# KiCad board magnum-drum-synth.kicad_pcb (continued)
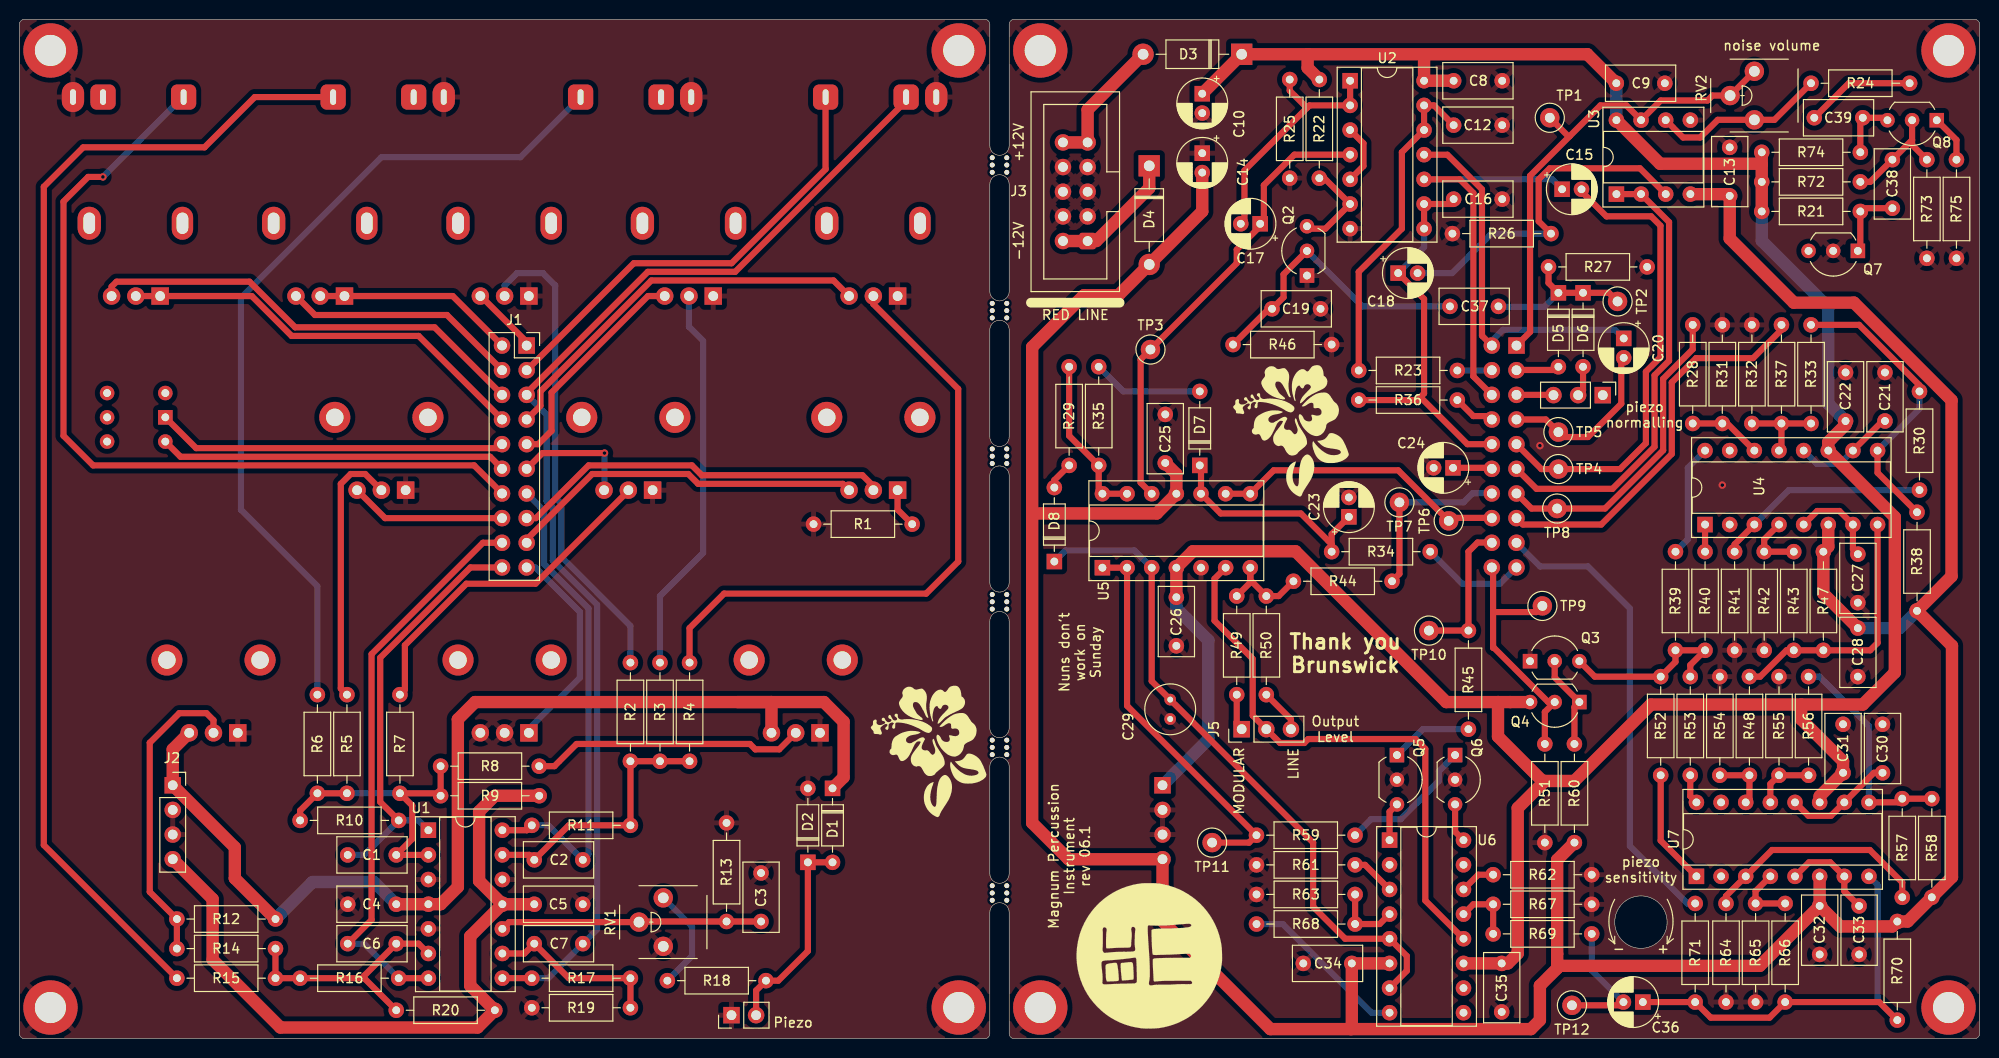
[diagram p0: board, top side]
## Library data of the parts
C1 C2 C6 C7 C12 C16 C19 C37-C39 = -: Description: Unpolarized capacitor; Spec: ceramic C0G; Tolerance: 5%
C3-C5 C8 C9 C13 C22 C25 C26 C28 C31 C32 C34 C35 = -: Description: Unpolarized capacitor; Spec: ceramic X7R; Tolerance: 5%
C10 C14 C15 C17 C18 C20 C23 C24 C36 = -: Description: Polarized capacitor; Spec: electrolytic; Tolerance: 20%; Voltage: 50v
C21 C27 C30 C33 = -: Description: Unpolarized capacitor; Spec: film polypropylene; Tolerance: 5%
C29 = -: Description: Unpolarized capacitor; Spec: electrolytic non polarised; Tolerance: 20%; Voltage: 50v
D1-D8 = -: Description: Diode; Sim.Device: D; Sim.Pins: 1=K 2=A
H1 H2 H9 H10 H13-H16 = -: Description: Mounting Hole with connection
J1 J7 = -: Description: Generic connector, double row, 02x10, odd/even pin numbering scheme (row 1 odd numbers, row 2 even numbers), script generated (kicad-library-utils/schlib/autogen/connector/)
J2 = -: Description: Generic connector, single row, 01x04, script generated; Name: Power Header Ctrl
J4 = -: Description: Generic connector, single row, 01x03, script generated; Name: Piezo Normal
J5 = -: Description: Generic connector, single row, 01x03, script generated; Name: Output Level Select
J6 = -: Description: Generic connector, single row, 01x04, script generated; Name: Power Header Main
J8 = -: Description: Eurorack vertical jack, 2 Poles (Mono / TS), Switched T Pole (Normalling); Name: Trig In; mpn: WQP-WQP518MA
J9 = -: Description: Eurorack vertical jack, 2 Poles (Mono / TS), Switched T Pole (Normalling); Name: Freq CV; mpn: WQP-WQP518MA
J10 = -: Description: Eurorack vertical jack, 2 Poles (Mono / TS), Switched T Pole (Normalling); Name: Decay CV; mpn: WQP-WQP518MA
J11 = -: Description: Eurorack vertical jack, 2 Poles (Mono / TS), Switched T Pole (Normalling); Name: Audio Out; mpn: WQP-WQP518MA
MK1 = -: Spec: 27mm
Q2 Q4 Q7 Q8 = -: Description: 0.2A Ic, 40V Vce, Small Signal NPN Transistor, TO-92
Q3 Q5 Q6 = -: Description: -0.2A Ic, -40V Vce, Small Signal PNP Transistor, TO-92
R1-R71 = -: Description: Resistor; Tolerance: 1%
R72-R75 = -: Description: Resistor; Power: 0.5W; Spec: metal film; Tolerance: 1%
RV1 = -: Description: Trim-potentiometer; Name: Piezo Sensitivity; Spec: single turn
RV2 = -: Description: Trim-potentiometer; Spec: single turn
RV3 = -: Description: Potentiometer; Name: OSC1 Level
RV4 = -: Description: Potentiometer; Name: OSC2 Level
RV5 = -: Description: Potentiometer; Name: Noise Level
RV6 = -: Description: Potentiometer; Name: OSC1 Freq
RV7 = -: Description: Potentiometer; Name: OSC2 Freq
RV8 = -: Description: Potentiometer; Name: Filter Res
RV9 = -: Description: Potentiometer; Name: Filter LFO Mod
RV10 = -: Description: Potentiometer; Name: Filter Env Mod
RV11 = -: Description: Potentiometer; Name: Filter Freq
RV12 = -: Description: Potentiometer; Name: Filter Env Decay
RV13 = -: Description: Potentiometer; Name: Amp Env Decay
SW1 = -: Description: Switch, dual pole double throw, separate symbols; Name: OSC2 LFO; PartNumber: MHPS2285
TP1-TP12 = -: Description: test point
U1 U5 = -: Description: Quad Low-Noise JFET-Input Operational Amplifiers, DIP-14/SOIC-14
U2 = -: Description: Quad 2-Input NAND Schmitt Trigger, SOIC-14
U3 = -: Description: Dual Low-Noise JFET-Input Operational Amplifiers, DIP-8/SOIC-8
U4 U6 U7 = -: Description: Dual Operational Transconductance Amplifiers with Linearizing Diodes and Buffers, DIP-16/SOIC-16

## Footprints (pads in the part's own frame, mm; a bottom-side part is the same pattern mirrored in y, then rotated)
C_Radial_D5.0mm_H5.0mm_P2.00mm
  round 1.2 hole 0.6: 1(0,0) 2(2,0)
C_Rect_L7.0mm_W3.5mm_P5.00mm
  round 1.6 hole 0.8: 1(0,0) 2(5,0)
CP_Radial_D5.0mm_P2.00mm
  rect 1.6x1.6 hole 0.8: 1(0,0)
  round 1.6 hole 0.8: 2(2,0)
D_DO-35_SOD27_P7.62mm_Horizontal
  rect 1.6x1.6 hole 0.8: 1(0,0)
  oval 1.6x1.6 hole 0.8: 2(7.62,0)
D_DO-41_SOD81_P10.16mm_Horizontal
  rect 2.2x2.2 hole 1.1: 1(0,0)
  oval 2.2x2.2 hole 1.1: 2(10.16,0)
DIP-8_W7.62mm_Socket
  rect 1.6x1.6 hole 0.8: 1(0,0)
  oval 1.6x1.6 hole 0.8: 2(0,-2.54) 3(0,-5.08) 4(0,-7.62) 5(7.62,-7.62) 6(7.62,-5.08) 7(7.62,-2.54) 8(7.62,0)
DIP-14_W7.62mm_Socket
  rect 1.6x1.6 hole 0.8: 1(0,0)
  oval 1.6x1.6 hole 0.8: 2(0,-2.54) 3(0,-5.08) 4(0,-7.62) 5(0,-10.16) 6(0,-12.7) 7(0,-15.24) 8(7.62,-15.24) 9(7.62,-12.7) 10(7.62,-10.16) 11(7.62,-7.62) 12(7.62,-5.08) 13(7.62,-2.54) 14(7.62,0)
DIP-16_W7.62mm_Socket
  rect 1.6x1.6 hole 0.8: 1(0,0)
  oval 1.6x1.6 hole 0.8: 2(0,-2.54) 3(0,-5.08) 4(0,-7.62) 5(0,-10.16) 6(0,-12.7) 7(0,-15.24) 8(0,-17.78) 9(7.62,-17.78) 10(7.62,-15.24) 11(7.62,-12.7) 12(7.62,-10.16) 13(7.62,-7.62) 14(7.62,-5.08) 15(7.62,-2.54) 16(7.62,0)
Eurorack_PowerHeader_2x05_P2.54mm_Shrouded
  rrect 1.7x1.7 hole 1: 1(0,0)
  round 1.7 hole 1: 2(2.54,0) 3(0,-2.54) 4(2.54,-2.54) 5(0,-5.08) 6(2.54,-5.08) 7(0,-7.62) 8(2.54,-7.62) 9(0,-10.16) 10(2.54,-10.16)
Jack_3.5mm_QingPu_WQP-PJ398SM_Vertical
  oval 3.1x2.3 hole 1.6x0.6: 1(0,-6.48)
  rrect 2.6x2.6 hole 1.6x0.6: 2(0,4.92) 3(0,-3.38)
MountingHole_3.2mm_M3_DIN965_Pad
  round 5.6 hole 3.2: 1(0,0)
mouse-bite-2mm-slot
  round 0.5 hole 0.5 unplated: (-0.75,0.75) (-0.75,-0.75) (0,0.75) (0,-0.75) (0.75,0.75) (0.75,-0.75)
PinHeader_1x02_P2.54mm_Vertical
  rect 1.7x1.7 hole 1: 1(0,0)
  oval 1.7x1.7 hole 1: 2(0,-2.54)
PinHeader_1x03_P2.54mm_Vertical
  rect 1.7x1.7 hole 1: 1(0,0)
  oval 1.7x1.7 hole 1: 2(0,-2.54) 3(0,-5.08)
PinHeader_1x04_P2.54mm_Vertical
  rect 1.7x1.7 hole 1: 1(0,0)
  oval 1.7x1.7 hole 1: 2(0,-2.54) 3(0,-5.08) 4(0,-7.62)
PinHeader_2x10_P2.54mm_Vertical
  rect 1.7x1.7 hole 1: 1(0,0)
  oval 1.7x1.7 hole 1: 2(2.54,0) 3(0,-2.54) 4(2.54,-2.54) 5(0,-5.08) 6(2.54,-5.08) 7(0,-7.62) 8(2.54,-7.62) 9(0,-10.16) 10(2.54,-10.16) 11(0,-12.7) 12(2.54,-12.7) 13(0,-15.24) 14(2.54,-15.24) 15(0,-17.78) 16(2.54,-17.78) 17(0,-20.32) 18(2.54,-20.32) 19(0,-22.86) 20(2.54,-22.86)
PinSocket_1x04_P2.54mm_Vertical
  rect 1.7x1.7 hole 1: 1(0,0)
  oval 1.7x1.7 hole 1: 2(0,-2.54) 3(0,-5.08) 4(0,-7.62)
PinSocket_2x10_P2.54mm_Vertical
  rect 1.7x1.7 hole 1: 1(0,0)
  oval 1.7x1.7 hole 1: 2(-2.54,0) 3(0,-2.54) 4(-2.54,-2.54) 5(0,-5.08) 6(-2.54,-5.08) 7(0,-7.62) 8(-2.54,-7.62) 9(0,-10.16) 10(-2.54,-10.16) 11(0,-12.7) 12(-2.54,-12.7) 13(0,-15.24) 14(-2.54,-15.24) 15(0,-17.78) 16(-2.54,-17.78) 17(0,-20.32) 18(-2.54,-20.32) 19(0,-22.86) 20(-2.54,-22.86)
Potentiometer_Alpha_RD901F-40-00D_Single_Vertical_CircularHoles
  round 3.2 hole 1.8: (-4.8,0) (4.8,0)
  rect 1.8x1.8 hole 1: 1(-2.5,-7.5)
  round 1.8 hole 1: 2(0,-7.5) 3(2.5,-7.5)
Potentiometer_Song_Huei_R0904N_Single_Vertical
  oval 2.2x3.4 hole 1.2x2.2: (-4.8,0)
  oval 2.4x3.4 hole 1.2x2.2: (4.8,0)
  rect 1.8x1.8 hole 1: 1(-2.5,-7.5)
  round 1.8 hole 1: 2(0,-7.5) 3(2.5,-7.5)
Potentiometer_THT_Bourns_3306P_Vertical
  round 2 hole 1.1: 1(-2.5,-1.25) 2(0,1.25) 3(2.5,-1.25)
R_Axial_DIN0207_L6.3mm_D2.5mm_P10.16mm_Horizontal
  round 1.6 hole 0.8: 1(0,0)
  oval 1.6x1.6 hole 0.8: 2(10.16,0)
SW_PUSH_2P2T_8mm_Apem_MHPS2285
  rect 1.5x1.5 hole 0.8: 1(-3,0)
  round 1.5 hole 0.8: 2(-3,-2.5) 3(-3,2.5) 4(3,-2.5) 5(3,2.5) 6(3,0)
TestPoint_Loop_D2.50mm_Drill1.0mm_LowProfile
  round 2 hole 1: 1(0,0)
TO-92_Inline_Wide
  rect 1.5x1.5 hole 0.8: 1(0,0)
  round 1.5 hole 0.8: 2(2.54,0) 3(5.08,0)

## Nets
+12V: C4.1 C8.1 C9.1 C10.1 C22.1 C26.1 C31.1 C35.1 D1.1 D3.1 J2.1 J6.1 Q4.3 R12.2 R21.1 R22.1 R72.2 R74.2 RV11.3 RV13.3 U1.4 U2.14 U3.8 U4.11 U5.4 U6.11 U7.11
-12V: C5.2 C13.2 C14.2 C25.2 C28.2 C32.2 C34.2 D4.2 J2.4 J6.4 R9.1 R20.1 R38.2 R47.2 R58.2 R60.1 R70.2 U1.11 U3.4 U4.6 U5.11 U6.6 U7.6
GND: C3.1 C4.2 C5.1 C8.2 C9.2 C10.2 C12.1 C13.1 C14.1 C16.2 C19.1 C21.1 C22.2 C23.2 C24.2 C25.1 C26.2 C27.1 C28.1 C29.2 C30.1 C31.2 C32.1 C33.1 C34.1 C35.2 D2.2 H1.1 H2.1 H9.1 H10.1 H13.1 H14.1 H15.1 H16.1 J2.2 J2.3 J3.3 J3.4 J3.5 J3.6 J3.7 J3.8 J6.2 J6.3 J8.1 J9.1 J10.1 J11.1 MK1.1 Q2.1 Q3.1 Q5.2 Q6.2 Q7.2 R1.2 R13.2 R19.1 R25.2 R26.1 R27.1 R31.2 R32.2 R41.2 R42.2 R46.2 R51.2 R54.2 R55.2 R61.1 R62.2 R63.1 R64.2 R65.2 R67.2 R73.1 R75.1 RV1.1 RV3.1 RV4.1 RV5.1 RV9.1 RV10.1 RV11.1 RV12.2 RV12.3 RV13.1 U1.3 U1.5 U1.12 U2.7 U3.5 U5.5
/AMP_DECAY_CV_MIX_CTRL: C6.2 J1.18 R16.2 U1.7
/AMP_DECAY_CV_MIX_MAIN: J7.18 R45.1 TP10.1
/Filter/I_Freq: Q3.3 R39.2 R40.2 R52.2 R53.2
/Filter/Output: C36.1 R66.2 R70.1 R71.1 U7.8
/FILTER_ENV_DECAY_CTRL: J1.19 RV12.1
/FILTER_ENV_DECAY_MAIN: J7.19 R34.2
/FILTER_ENV_MOD_CTRL: J1.16 RV10.3
/FILTER_ENV_MOD_MAIN: J7.16 TP6.1 U5.8 U5.9
/FILTER_FREQ_CV_CTRL: C1.2 J1.20 R10.2 U1.1
/FILTER_FREQ_CV_MAIN: J7.20 Q4.2 R51.1 TP9.1
/FINAL_OUTPUT_CTRL: J1.14 J11.2
/FINAL_OUTPUT_MAIN: J7.14 R44.2 TP7.1
/MIX_RETURN_CTRL: C2.2 J1.13 R11.2 U1.14
/MIX_RETURN_MAIN: J7.13 R28.1 TP8.1
/NOISE_SIGNAL_CTRL: J1.1 RV5.3
/NOISE_SIGNAL_MAIN: J7.1 RV2.2 RV2.3 TP1.1 U3.7
/OSC1_FREQ_L_CTRL: J1.4 RV6.3
/OSC1_FREQ_L_MAIN: J7.4 R23.2
/OSC1_FREQ_R_CTRL: J1.2 RV6.1 RV6.2
/OSC1_FREQ_R_MAIN: C20.1 J7.2 U2.11
/OSC1_SIGNAL_CTRL: J1.7 RV3.3
/OSC1_SIGNAL_MAIN: C20.2 J7.7 TP5.1
/OSC2_FILTER_MOD_CTRL: J1.11 RV9.3
/OSC2_FILTER_MOD_MAIN: J7.11 U3.1 U3.2
/OSC2_FREQ_L_CTRL: J1.8 RV7.1 RV7.2
/OSC2_FREQ_L_MAIN: J7.8 R36.2
/OSC2_FREQ_R_CTRL: J1.6 RV7.3
/OSC2_FREQ_R_MAIN: C15.1 J7.6 U2.10
/OSC2_LFO_CAP_CTRL: J1.12 SW1.2
/OSC2_LFO_CAP_MAIN: C24.1 J7.12
/OSC2_LFO_CTRL: J1.10 SW1.1
/OSC2_LFO_MAIN: C16.1 C18.1 J7.10 R36.1 U2.8 U2.9
/OSC2_SIGNAL_CTRL: J1.9 RV4.3
/OSC2_SIGNAL_MAIN: C15.2 J7.9 TP4.1
/OutputVCA/I_Gain: Q6.3 U6.16
/OutputVCA/Input: C36.2 R69.1 TP12.1
/OutputVCA/Output: R44.1 R49.2 R50.2 U5.7
/PIEZO_CTRL: C7.2 J1.5 J8.3 R17.1 U1.8
/PIEZO_MAIN: J4.3 J7.5
/RES_AMOUNT_CTRL: J1.15 RV8.2
/RES_AMOUNT_MAIN: J7.15 R37.1
/RES_TOP_CTRL: J1.17 RV8.3
/RES_TOP_MAIN: J7.17 R71.2
/TRIG_IN_CTRL: J1.3 J8.2
/TRIG_IN_MAIN: D5.2 J7.3
/Trigger: R29.1 R35.1 U5.13 U5.14
Net-(C12-Pad2): C12.2 R23.1 U2.12 U2.13
Net-(C17-Pad2): C17.2 R25.1 U2.1 U2.2
Net-(C21-Pad2): C21.2 U4.10 U4.12
Net-(C27-Pad2): C27.2 U4.5 U4.7
Net-(C30-Pad2): C30.2 U7.10 U7.12
Net-(C33-Pad2): C33.2 U7.5 U7.7
Net-(C39-Pad2): C39.2 R24.1
Net-(D1-A): D1.2 D2.1 MK1.2 R18.1
Net-(D3-A): D3.2 J3.9 J3.10
Net-(D4-K): D4.1 J3.1 J3.2
Net-(D5-K): C37.2 D5.1 D6.1 R27.2 TP2.1
Net-(D6-A): D6.2 J4.2
Net-(D7-A): D7.2 R35.2
Net-(D7-K): C23.1 D7.1 R34.1 U5.10
Net-(D8-A): D8.2 R29.2
Net-(D8-K): C29.1 D8.1 U5.3 U6.5 U6.7
Net-(J5-Pin_1): J5.1 R49.1
Net-(J5-Pin_2): J5.2 U5.6 U6.12
Net-(J5-Pin_3): J5.3 R50.1
Net-(J9-Tip): J9.2 R6.1
Net-(J10-Tip): J10.2 R15.1
Net-(Q2-B): C19.2 C37.1 Q2.2 R46.1
Net-(Q2-C): Q2.3 R22.2 U2.6
Net-(Q3-B): Q3.2 Q4.1 R60.2
Net-(Q5-C): Q5.3 U6.1
Net-(Q5-E): Q5.1 R45.2
Net-(Q6-E): Q6.1 R59.2
Net-(Q7-E): C38.1 Q7.1 R21.2
Net-(Q8-B): C38.2 Q8.2 R72.1 R73.2
Net-(Q8-C): C39.1 Q8.3 R74.1
Net-(Q8-E): Q8.1 R75.2
Net-(R1-Pad1): R1.1 RV8.1
Net-(R2-Pad1): R2.1 RV5.2
Net-(R3-Pad1): R3.1 RV4.2
Net-(R4-Pad1): R4.1 RV3.2
Net-(R5-Pad1): R5.1 RV10.2
Net-(R7-Pad1): R7.1 RV9.2
Net-(R8-Pad1): R8.1 RV11.2
Net-(R12-Pad1): R12.1 R14.2 RV13.2
Net-(R18-Pad2): R18.2 RV1.3
Net-(R30-Pad1): R30.1 R33.2 R38.1 U4.9
Net-(R39-Pad1): R39.1 U4.16
Net-(R40-Pad1): R40.1 U4.1
Net-(R43-Pad2): R43.2 R47.1 R48.1 U4.8
Net-(R52-Pad1): R52.1 U7.1
Net-(R53-Pad1): R53.1 U7.16
Net-(R56-Pad2): R56.2 R57.1 R58.1 U7.9
Net-(R68-Pad2): R68.2 U6.8
Net-(U1A--): C1.1 R5.2 R6.2 R7.2 R8.2 R9.2 R10.1 U1.2
Net-(U1B--): C6.1 R14.1 R15.2 R16.1 R20.2 U1.6
Net-(U1C-+): C3.2 R13.1 RV1.2 U1.10
Net-(U1C--): C7.1 R17.2 R19.2 U1.9
Net-(U1D--): C2.1 R2.2 R3.2 R4.2 R11.1 U1.13
Net-(U2-Pad3): U2.3 U2.5
Net-(U3A-+): C18.2 R26.2 U3.3
Net-(U3B--): R24.2 RV2.1 U3.6
Net-(U4A-+): R28.2 R31.1 U4.14
Net-(U4A--): R32.1 R33.1 R37.2 U4.13
Net-(U4C-+): R30.2 R41.1 U4.3
Net-(U4C--): R42.1 R43.1 U4.4
Net-(U5A--): R59.1 TP11.1 U5.1 U5.2
Net-(U5D-+): C17.1 TP3.1 U2.4 U5.12
Net-(U6A-+): R62.1 U6.14
Net-(U6A--): R67.1 R69.2 U6.13
Net-(U6C-+): R61.2 U6.3
Net-(U6C--): R63.2 R68.1 U6.4
Net-(U7A-+): R48.2 R54.1 U7.14
Net-(U7A--): R55.1 R56.1 U7.13
Net-(U7C-+): R57.2 R64.1 U7.3
Net-(U7C--): R65.1 R66.1 U7.4

Pads without a net: J4 1; J9 3; J10 3; J11 3; Q7 3; SW1 3 4 5 6; U4 2 15; U6 2 9 10 15; U7 2 15

## Via types
v1: diameter 0.762, hole 0.381, Top to Bottom, 4 vias

## Routing (per net, layer and track width the routed paths; a pad name or vN(x,y) marks a point on that pad's centre or on a via; arc(x,y) is an arc through that point)
+12V: length 412.5
  Top w1.27: C22.1 188.19,63.25 186.41,61.47 U4.11 193.27,53.72 193.27,37.72 189.96,34.42 183.61,34.42 ; 185.52,24.34 185.52,24.97 C31.1 187.93,28.57 183.61,32.89 183.61,34.42 ; Q4.3 152.37,34.67 ; C26.1 U5.4 120.91,50.2 131.51,50.2 147.04,34.67 152.37,34.67 ; 152.37,34.67 152.37,31.11 157.07,26.42 ; R22.1 132.75,100.01 132.75,101.41 ; 183.61,34.42 168.12,34.42 160.25,26.54 157.2,26.54 154.4,23.75 154.4,8.76 153.39,7.75 C35.1 U6.11 ; C9.1 161.58,101.41 132.75,101.41 ; U3.8 169.07,90.13 179.46,90.13 179.55,90.04 ; RV13.3 15.8,29.8 J2.1 22.2,19.7 22.2,16.51 R12.2 ; C10.1 D3.1 132.75,101.41 ; 147.79,98.68 U2.14 144.75,101.1 ; RV11.3 77.5,34.67 46.96,34.67 45.18,32.89 45.18,15.62 43.41,13.85 U1.4 ; C4.1 42.14,13.84 ; R74.2 179.55,90.04 ; 179.55,90.04 R72.2 R21.1 ; 74.01,34.67 82.91,34.67 84.94,32.64 84.94,26.92 D1.1
  Bottom w1.27: J6.1 122.53,30.83 122.53,41.03 119.22,44.33 C26.1 ; C22.1 186.41,65.4 186.41,75.33 179.55,82.19 R21.1 ; C4.1 36.55,16.13 30.2,16.13 R12.2 ; C9.1 164.56,94.63
-12V: length 429.1
  Top w1.27: U6.6 C34.2 137.31,1.06 137.22,0.98 ; 158.47,7.75 158.72,7.49 179.34,7.49 C32.2 ; 158.47,7.75 158.47,7.24 156.69,5.46 156.69,1.9 155.76,0.98 137.22,0.98 ; 158.47,7.75 158.47,18.41 R60.1 ; 137.22,0.98 128.91,0.98 117.8,12.09 J6.4 108.11,18.48 104.37,22.22 104.37,71.25 109.7,76.58 113.26,76.58 121.89,85.22 C14.2 ; U4.6 186.41,50.67 R47.2 185.9,45.85 C28.2 ; C32.2 185.52,16.72 ; C32.2 187.63,11.56 193.01,11.56 R70.2 194.58,12.06 R58.2 199.16,16.64 199.16,40.47 R38.2 199.11,47.62 199.11,65.76 189.05,75.82 182.85,75.82 176.25,82.42 C13.2 176.07,86.99 172.2,86.99 ; C5.2 49.77,13.84 ; C25.2 119.22,58.17 119.22,56.13 117.19,54.1 104.37,54.1 ; J2.4 19.91,14.37 19.91,8.13 26.9,1.14 47.22,1.14 R20.1 46.45,5.46 46.45,10.53 U1.11 47.37,16.24 47.37,23.4 48.99,25.02 R9.1
  Bottom w1.27: R38.2 193.77,42.29 C28.2
GND:
  vias: v1(156.69,61.09) v1(175.49,57.02)
/AMP_DECAY_CV_MIX_CTRL: length 58.8
  Top w0.635: C6.2 36.29,12.24 36.29,39.61 47.76,51.08 49.75,51.08 ; R16.2 42.14,6.22
  Bottom w0.635: C6.2 35.53,9.78 R16.2
/AMP_DECAY_CV_MIX_MAIN: length 15
  Top w0.635: 151.74,51.11 150.26,51.11 149.32,50.16 R45.1 TP10.1
/Filter/I_Freq: length 18.8
  Top w0.635: Q3.3 162.35,37.29 R52.2 170.66,38.81 R39.2 R40.2 172.18,38.48 R53.2
/Filter/Output: length 44.3
  Top w0.635: C36.1 R71.1 174.3,2.16 180.36,2.16 R66.2 191.66,3.76 R70.1
  Bottom w0.635: R70.1 191.49,3.94 191.49,15.83 U7.8
/FILTER_ENV_DECAY_CTRL: length 21.9
  Bottom w0.635: 52.29,48.54 53.17,48.54 57.76,43.95 57.76,37.18 52.29,31.71
/FILTER_ENV_DECAY_MAIN: length 11
  Bottom w0.635: R34.2 148.69,46.86 152.57,46.86 154.28,48.56
/FILTER_ENV_MOD_CTRL: length 16.1
  Top w0.635: 49.75,53.62 37.68,53.62 RV10.3
/FILTER_ENV_MOD_MAIN: length 30.3
  Top w0.635: 147.6,53.64 151.74,53.64 ; TP6.1 142.09,58.55 129.26,58.55 126.84,56.13 124.31,56.13
/FILTER_FREQ_CV_CTRL: length 44.2
  Top w0.635: 49.75,48.54 46.48,48.54 37.18,39.24 37.18,24.38 R10.2
  Bottom w0.635: C1.2 35.53,18.92 R10.2 41.14,22.48 U1.1
/FILTER_FREQ_CV_MAIN: length 26.9
  Top w0.635: TP9.1 156.31,43.94 151.86,43.94 ; 151.86,43.94 151.86,48.44 ; 151.86,43.94 151.86,40.26 151.95,40.26 157.54,34.67 Q4.2 157.2,33.65 R51.1
/FINAL_OUTPUT_CTRL: length 88.6
  Top w0.635: v1(8.61,88.77) 7.08,88.77 4.54,86.23 4.54,62.1 7.59,59.05 46.86,59.05 49.75,56.16
  Bottom w0.635: J11.2 16.84,97 v1(8.61,88.77)
/FINAL_OUTPUT_MAIN: length 18.4
  Top w0.635: R44.2 142.21,47.88 TP7.1
  Bottom w0.635: TP7.1 148.82,55.24 149.76,56.19 151.74,56.19
/MIX_RETURN_CTRL: length 50.6
  Top w0.635: R11.2 52.3,21.47 U1.14
  Bottom w0.635: J1.13 54.07,54.36 54.07,48.89 58.65,44.32 58.65,19 C2.2 54.5,21.97 R11.2
/MIX_RETURN_MAIN: length 32.4
  Top w0.635: J7.13 155.83,54.61 TP8.1 163.4,54.61 169.39,60.6 169.39,67.97 172.44,71.02 R28.1
/NOISE_SIGNAL_CTRL: length 6.7
  Top w0.635: 47.55,76.5 52.29,71.76
/NOISE_SIGNAL_MAIN: length 49.7
  Top w0.635: RV2.3 RV2.2 174.47,97.15 173.96,96.65 169.14,96.65 U3.7 165.6,96.14 162.93,96.14 159.75,92.96 ; 159.75,92.96 159.61,92.96 TP1.1 ; 159.75,92.96 155.67,88.89 155.67,72.8 J7.1
/OSC1_FREQ_L_CTRL: length 24.4
  Top w0.635: 49.75,68.86 44.06,74.55 30.45,74.55 RV6.3
/OSC1_FREQ_L_MAIN: length 3.5
  Bottom w0.635: 151.71,68.83 R23.2
/OSC1_FREQ_R_CTRL: length 20.9
  Top w0.635: RV6.2 RV6.1 44.65,76.5 49.75,71.4
/OSC1_FREQ_R_MAIN: length 38.9
  Top w0.635: J7.2 150.72,72.41 150.72,87.49 147.15,91.06 144.76,91.06
  Bottom w0.635: J7.2 151.74,71.88 152.88,73.02 164.44,73.02 C20.1
/OSC1_SIGNAL_CTRL: length 40.7
  Top w0.635: RV3.3 83.9,78.1 65.12,78.1 53.7,66.68 53.7,65.2 J1.7
/OSC1_SIGNAL_MAIN: length 17.8
  Top w0.635: 165.33,70.14 165.07,69.88 165.07,65.4 161.64,61.97 159.1,61.97 TP5.1 157.3,63.78 J7.7
/OSC2_FILTER_MOD_CTRL: length 12.5
  Top w0.635: J1.11 53.9,60.32 v1(60.3,60.32)
  Bottom w0.635: v1(60.3,60.32) 60.3,56.55 RV9.3
/OSC2_FILTER_MOD_MAIN: length 47.3
  Top w0.635: U3.1 U3.2 170,84.12 170,69.84 168.5,68.34 168.5,60.97 164.17,56.64 156.33,56.64 J7.11
/OSC2_FREQ_L_CTRL: length 43
  Top w0.635: 49.75,63.78 41.14,72.39 28.05,72.39 23.94,76.5 RV7.1 RV7.2
/OSC2_FREQ_L_MAIN: length 3.9
  Top w0.635: 151.38,64.13 149.83,64.13 R36.2
/OSC2_FREQ_R_CTRL: length 46.3
  Top w0.635: RV7.3 9.5,77.47 10.01,77.98 23.72,77.98 28.42,73.28 42.79,73.28 49.75,66.32
/OSC2_FREQ_R_MAIN: length 41.9
  Top w0.635: 144.75,88.52 148.43,88.52 149.83,87.12 149.83,68.22 J7.6
  Bottom w0.635: 144.75,88.52 157.96,88.52 C15.1
/OSC2_LFO_CAP_CTRL: length 35.9
  Top w0.635: 49.75,58.7 48.51,59.94 16.6,59.94 SW1.2
/OSC2_LFO_CAP_MAIN: length 3.9
  Top w0.635: C24.1 151.63,58.8
/OSC2_LFO_CTRL: length 36.2
  Top w0.635: 49.75,61.24 49.34,60.83 18.21,60.83 SW1.1
/OSC2_LFO_MAIN: length 41.2
  Top w0.635: 144.37,66.09 144.07,65.78 R36.1 ; 144.37,66.09 144.75,66.47 144.75,76.2 C18.1 ; 144.37,66.09 149.22,61.24 J7.10 ; 147.79,85.98 U2.9 U2.8
  Bottom w0.635: C18.1 144.75,81.53 U2.8
/OSC2_SIGNAL_CTRL: length 22.9
  Top w0.635: J1.9 53.47,61.24 54.84,62.61 54.84,66.56 64.78,76.5 RV4.3
/OSC2_SIGNAL_MAIN: length 48.4
  Top w0.635: J7.9 156.84,58.67 TP4.1 164.94,58.67 167.61,61.34 167.61,68.71 169.11,70.2 169.11,83.75 168.15,84.71 163.55,84.71 160.98,87.28 C15.2
/OutputVCA/I_Gain: length 4
  Top w0.635: U6.16 147.95,21.31 Q6.3
/OutputVCA/Input: length 13.3
  Top w0.635: TP12.1 164.96,3.43
  Bottom w0.635: R69.1 162.03,7.03 C36.2
/OutputVCA/Output: length 10.5
  Top w0.635: R44.1 129.77,45.59 R50.2 126.84,47.24 U5.7 126.84,46.99 R49.2
/PIEZO_CTRL: length 121.5
  Top w0.635: U1.8 52.8,6.23 ; 91.38,96.61 73.76,78.99 64.75,78.99 52.28,66.51
  Bottom w0.635: J1.5 54.33,64.27 54.33,55.36 54.96,54.73 54.96,49.26 59.53,44.69 59.53,11.25 C7.2 54.5,6.22 R17.1
/PIEZO_MAIN: length 3.8
  Top w0.635: J7.5 158.06,66.32
/RES_AMOUNT_CTRL: length 38.9
  Top w0.635: J1.15 53.22,53.62 58.66,59.05 69.3,59.05 70.32,58.04 86.87,58.04 88,56.91
/RES_AMOUNT_MAIN: length 40.7
  Top w0.635: J7.15 154.94,52.96 163,52.96 170.28,60.24 170.28,67.6 172.78,70.1 178.66,70.1 181.58,73.02 R37.1
/RES_TOP_CTRL: length 37
  Top w0.635: RV8.3 84.85,57.15 69.95,57.15 68.93,58.17 59.03,58.17 52.28,51.41 J1.17
/RES_TOP_MAIN: length 48.2
  Bottom w0.635: J7.17 156.72,48.64 161.64,48.64 165.96,44.32 165.96,19.84 171.88,13.92 R71.2
/TRIG_IN_CTRL: length 46.8
  Top w0.635: J8.2 83.08,89.57 73.39,79.88 63.31,79.88 52.29,68.86
/TRIG_IN_MAIN: length 4.5
  Top w0.635: D5.2 158.27,68.89 154.28,68.89
/Trigger: length 17
  Top w0.635: 114.15,56.13 111.6,56.13 111.22,56.51 R35.1 108.18,62.1 R29.1
Net-(C12-Pad2): length 34
  Top w0.635: R23.1 138.02,78.99 142.47,83.44 142.47,91.32 U2.12 U2.13 145.76,96.14 C12.2
Net-(C17-Pad2): length 25.5
  Top w0.635: U2.1 U2.2 132.95,96.14 132.69,95.88 ; 132.69,95.88 130.91,97.66 R25.1 ; 132.69,95.88 126.24,89.44 126.24,84.33 C17.2
Net-(C21-Pad2): length 10.8
  Top w0.635: U4.10 192,63.63 C21.2
  Bottom w0.635: U4.10 187.58,59.21 185.24,59.21 U4.12
Net-(C27-Pad2): length 9.5
  Top w0.635: C27.2 188.95,50.42 U4.7 187.55,54.36 185.26,54.36 U4.5
Net-(C30-Pad2): length 11.4
  Top w0.635: C30.2 191.11,27.38 U7.10 186.68,22.96 184.36,22.96 182.98,24.34
Net-(C33-Pad2): length 10
  Top w0.635: 182.98,16.72 184.42,18.16 186.62,18.16 U7.7 188.06,15.19 C33.2
Net-(C39-Pad2): length 11.3
  Top w0.635: R24.1 188.52,98.42 C39.2
Net-(D1-A): length 21.2
  Top w0.635: D1.2 D2.1 81.25,9.02 78.2,5.97 R18.1 75.92,4.95 MK1.2
Net-(D3-A): length 14
  Top w1.27: J3.10 J3.9 110.08,95.7 D3.2
Net-(D4-K): length 13.4
  Top w1.27: D4.1 116.43,87.63 110.97,82.17 J3.1 J3.2
Net-(D5-K): length 15.9
  Top w0.635: TP2.1 163.8,76.83 161.52,76.83 ; R27.2 157.58,77.85 D5.1 D6.1
  Bottom w0.635: D5.1 157.15,75.39 152.47,75.39
Net-(D6-A): length 3.1
  Top w0.635: D6.2 161.13,66.8 J4.2
Net-(D7-A): length 11.5
  Bottom w0.635: R35.2 113.76,66.67 D7.2
Net-(D7-K): length 23.5
  Top w0.635: C23.1 135.23,51.97 R34.1 135.23,50.93 132.05,54.1 123.8,54.1 121.76,56.13 121.76,58.93
Net-(D8-A): length 2.9
  Top w0.635: D8.2 106.65,57.53 R29.2
Net-(D8-K): length 68.9
  Top w0.635: U6.7 142.97,6.98 142.97,8.51 U6.5 136.62,10.29 133.32,13.59 133.32,20.19 C29.1 116.69,36.83 U5.3
  Bottom w0.635: U5.3 114.91,50.29 107.79,50.29 D8.1
Net-(J5-Pin_1): length 3
  Top w0.635: R49.1 125.45,32.38
Net-(J5-Pin_2): length 58.1
  Top w0.635: U6.12 144.88,14.22 144.88,29.84 143.86,30.86 132.81,30.86 132.41,30.45 129.92,30.45 J5.2 127.09,33.28 127.09,39.12 123.16,43.05 123.16,47.37 U5.6
Net-(J5-Pin_3): length 4.6
  Top w0.635: J5.3 131.04,32.89 R50.1
Net-(J9-Tip): length 87.7
  Bottom w0.635: R6.1 30.71,46.61 22.83,54.48 22.83,76.33 37.31,90.8 51.63,90.8 J9.2
Net-(J10-Tip): length 120.9
  Top w0.635: R15.1 2.51,19.94 2.51,87.76 6.58,91.82 19.08,91.82 24.26,97 J10.2
Net-(Q2-B): length 29.8
  Top w0.635: Q2.2 130.27,78.74 130.27,76.37 C19.2 ; R46.1 128.75,75.18
  Bottom w0.635: C37.1 138.4,75.44 Q2.2
Net-(Q2-C): length 9.5
  Top w0.635: R22.2 134.47,88.65 U2.6 134.59,83.44 132.94,83.44
Net-(Q3-B): length 9.8
  Top w0.635: R60.2 160.25,34.16 Q4.1 158.21,37.21 Q3.2
Net-(Q5-C): length 4
  Top w0.635: U6.1 141.2,23.37 Q5.3
Net-(Q5-E): length 8.5
  Bottom w0.635: Q5.1 144.62,31.88 R45.2
Net-(Q6-E): length 14.3
  Bottom w0.635: R59.2 139.29,22.61 142.34,22.61 146.28,26.54 146.28,27.54 Q6.1
Net-(Q7-E): length 7.6
  Top w0.635: C38.1 190.04,85.55 R21.2 189.71,81.41 Q7.1
Net-(Q8-B): length 11.8
  Top w0.635: 195.04,92.58 C38.2 190.73,88.26 R72.1 ; 195.04,92.58 Q8.2 ; 195.04,92.58 195.04,92.07 R73.2
Net-(Q8-C): length 6.3
  Top w0.635: Q8.3 192.25,94.87 C39.1 189.71,94.61 R74.1
Net-(Q8-E): length 4.9
  Top w0.635: Q8.1 199.62,92.58 R75.2
Net-(R1-Pad1): length 4.1
  Top w0.635: R1.1 90.5,54.5 RV8.1
Net-(R2-Pad1): length 49.4
  Bottom w0.635: RV5.2 50,77.59 51.28,78.87 53.95,78.87 55.22,77.6 55.22,55.73 55.85,55.1 55.85,49.63 62.96,42.52 R2.1
Net-(R3-Pad1): length 40.2
  Bottom w0.635: R3.1 66.01,45.59 70.46,50.04 70.46,71.88 69,73.34 RV4.2
Net-(R4-Pad1): length 65.1
  Top w0.635: R4.1 69.06,42.29 72.62,45.85 93.44,45.85 96.75,49.15 96.75,66.93 88,75.67 RV3.2
Net-(R5-Pad1): length 27.3
  Top w0.635: RV10.2 35.64,58.17 34.14,58.17 33.12,57.15 33.12,36.07 R5.1
Net-(R7-Pad1): length 34.9
  Top w0.635: 62.75,56.43 53.19,46.86 46.06,46.86 39.72,40.52 39.72,35.94 R7.1
Net-(R8-Pad1): length 28.3
  Top w0.635: RV11.2 78.3,29.8 75.83,29.8 75.28,30.35 57.42,30.35 55.13,28.07 R8.1
Net-(R12-Pad1): length 31.8
  Top w0.635: R14.2 R12.1 13.43,15.11 13.43,30.48 16.48,33.53 19.28,33.53 20,32.8 RV13.2
Net-(R18-Pad2): length 10.8
  Bottom w0.635: R18.2 69.31,8.51 69.31,11.54 RV1.3
Net-(R30-Pad1): length 30.3
  Top w0.635: R38.1 191.49,58.29 U4.9 ; R30.1 195.81,67.31 189.58,73.53 R33.2
  Bottom w0.635: U4.9 195.81,64.9 R30.1
Net-(R39-Pad1): length 11.7
  Bottom w0.635: R39.1 171.93,51.43 171.93,58.8 U4.16
Net-(R40-Pad1): length 2.8
  Top w0.635: R40.1 U4.1
Net-(R43-Pad2): length 26.8
  Top w0.635: U4.8 191.49,40.77 190.73,40 R47.1 R43.2 182.1,40 179.39,37.29 R48.1
Net-(R52-Pad1): length 11.9
  Top w0.635: U7.1 169.14,20.4 R52.1
Net-(R53-Pad1): length 3.1
  Top w0.635: R53.1 172.18,24.97 U7.16
Net-(R56-Pad2): length 22.8
  Top w0.635: U7.9 193.65,24.34 R57.1 R58.1
  Bottom w0.635: R56.2 185.51,37.29 190.6,32.2 U7.9
Net-(R68-Pad2): length 17.5
  Bottom w0.635: U6.8 139.33,2.67 130.19,11.8 R68.2
Net-(U1A--): length 29.9
  Top w0.635: 43.15,25.27 R7.2 40.48,24 40.48,20.57 C1.1 42.14,18.92 ; R5.2 R6.2 28.93,23.49 R10.1 ; R9.2 R8.2
  Bottom w0.635: R7.2 R5.2
Net-(U1B--): length 25.5
  Top w0.635: U1.6 41.14,9.78 C6.1 35.53,6.48 35.53,6.22 ; 35.53,6.22 R20.2 ; 35.53,6.22 R16.1 R15.2 R14.1
Net-(U1C-+): length 26.9
  Top w0.635: C3.2 R13.1 63.91,12.06 ; U1.10 50.46,12 RV1.2
Net-(U1C--): length 18.1
  Top w0.635: U1.9 52.05,8.77 C7.1 56.61,6.22 R17.2 R19.2
Net-(U1D--): length 27.6
  Top w0.635: 49.77,18.93 52.55,18.93 C2.1 56.61,21.97 R11.1 R2.2 R3.2 R4.2
Net-(U2-Pad3): length 6.2
  Top w0.635: 137.13,88.52 138.5,89.89 138.5,92.23 U2.3
Net-(U3A-+): length 36.2
  Top w0.635: U3.3 167,89.66 157.71,89.66 156.56,88.52 156.56,84.2 R26.2
  Bottom w0.635: R26.2 151.71,82.93 147.64,78.87 C18.2
Net-(U3B--): length 18
  Top w0.635: R24.2 180.86,94.65 RV2.1 175.02,94.65 173.2,92.84 171.44,92.84 U3.6
Net-(U4A-+): length 7.5
  Top w0.635: U4.14 175.99,63.37 R31.1 R28.2
Net-(U4A--): length 9
  Top w0.635: R37.2 R33.1 ; R37.2 R32.1 ; R37.2 181.58,60.83 U4.13
Net-(U4C-+): length 22.1
  Top w0.635: U4.3 176.76,50.93 R41.1
  Bottom w0.635: U4.3 182.34,56.51 R30.2
Net-(U4C--): length 6.5
  Top w0.635: U4.4 179.8,51.43 R42.1 R43.1
Net-(U5A--): length 40.5
  Top w0.635: U5.1 U5.2 114.15,34.29 R59.1 126.72,20.19 TP11.1
Net-(U5D-+): length 46.9
  Top w0.635: 116.69,56.13 115.54,57.28 115.54,69.98 TP3.1 125.45,79.88 125.45,81.28 127.86,83.69 ; 128.24,84.33 128.24,87.92 131.39,91.06 U2.4
Net-(U6A-+): length 3.7
  Top w0.635: U6.14 150.33,16.88 R62.1
Net-(U6A--): length 6.5
  Top w0.635: R69.2 R67.1 149.82,13.83 U6.13
Net-(U6C-+): length 4.6
  Top w0.635: U6.3 138.66,17.9 R61.2
Net-(U6C--): length 7
  Top w0.635: R63.2 R68.1 140.17,11.8 U6.4
Net-(U7A-+): length 6
  Top w0.635: U7.14 178.28,24.72 R48.2 R54.1
Net-(U7A--): length 6.2
  Top w0.635: R56.1 R55.1 180.44,26.24 U7.13
Net-(U7C-+): length 23.8
  Top w0.635: R64.1 175.87,14.68 U7.3 180.61,19.43 190.69,19.43 194.03,16.09 R57.2
Net-(U7C--): length 6.5
  Top w0.635: R66.1 R65.1 178.91,15.19 U7.4

## Copper pours and planes (outline as drawn; the poured copper is in the pictures)
GND on Top, Bottom: 202,0 0,0 0,105 202,105

## Text on the board
B.Silkscreen: Out | LFO Mode | Volume Decay | Amp Decay CV | Filter Env Mod | Filter Env Decay | Filter Freq CV | Filter LFO Amount | Piezo | Filter Freq | Trigger | OSC2 Freq | OSC1 Freq | Noise Volume | OSC2 Volume | Resonance | OSC1 Volume | This side towards panel
F.Fab: Magnum Percussion / Instrument / rev 05
F.Silkscreen: noise volume | Piezo | Output / Level | - | piezo / sensitivity | piezo / normalling | + | Magnum Percussion / Instrument / rev 06.1 | Nuns don't / work on / Sunday | MODULAR | LINE | Thank you / Brunswick
